# KiCad board PSEC5_Board.kicad_pcb (continued)
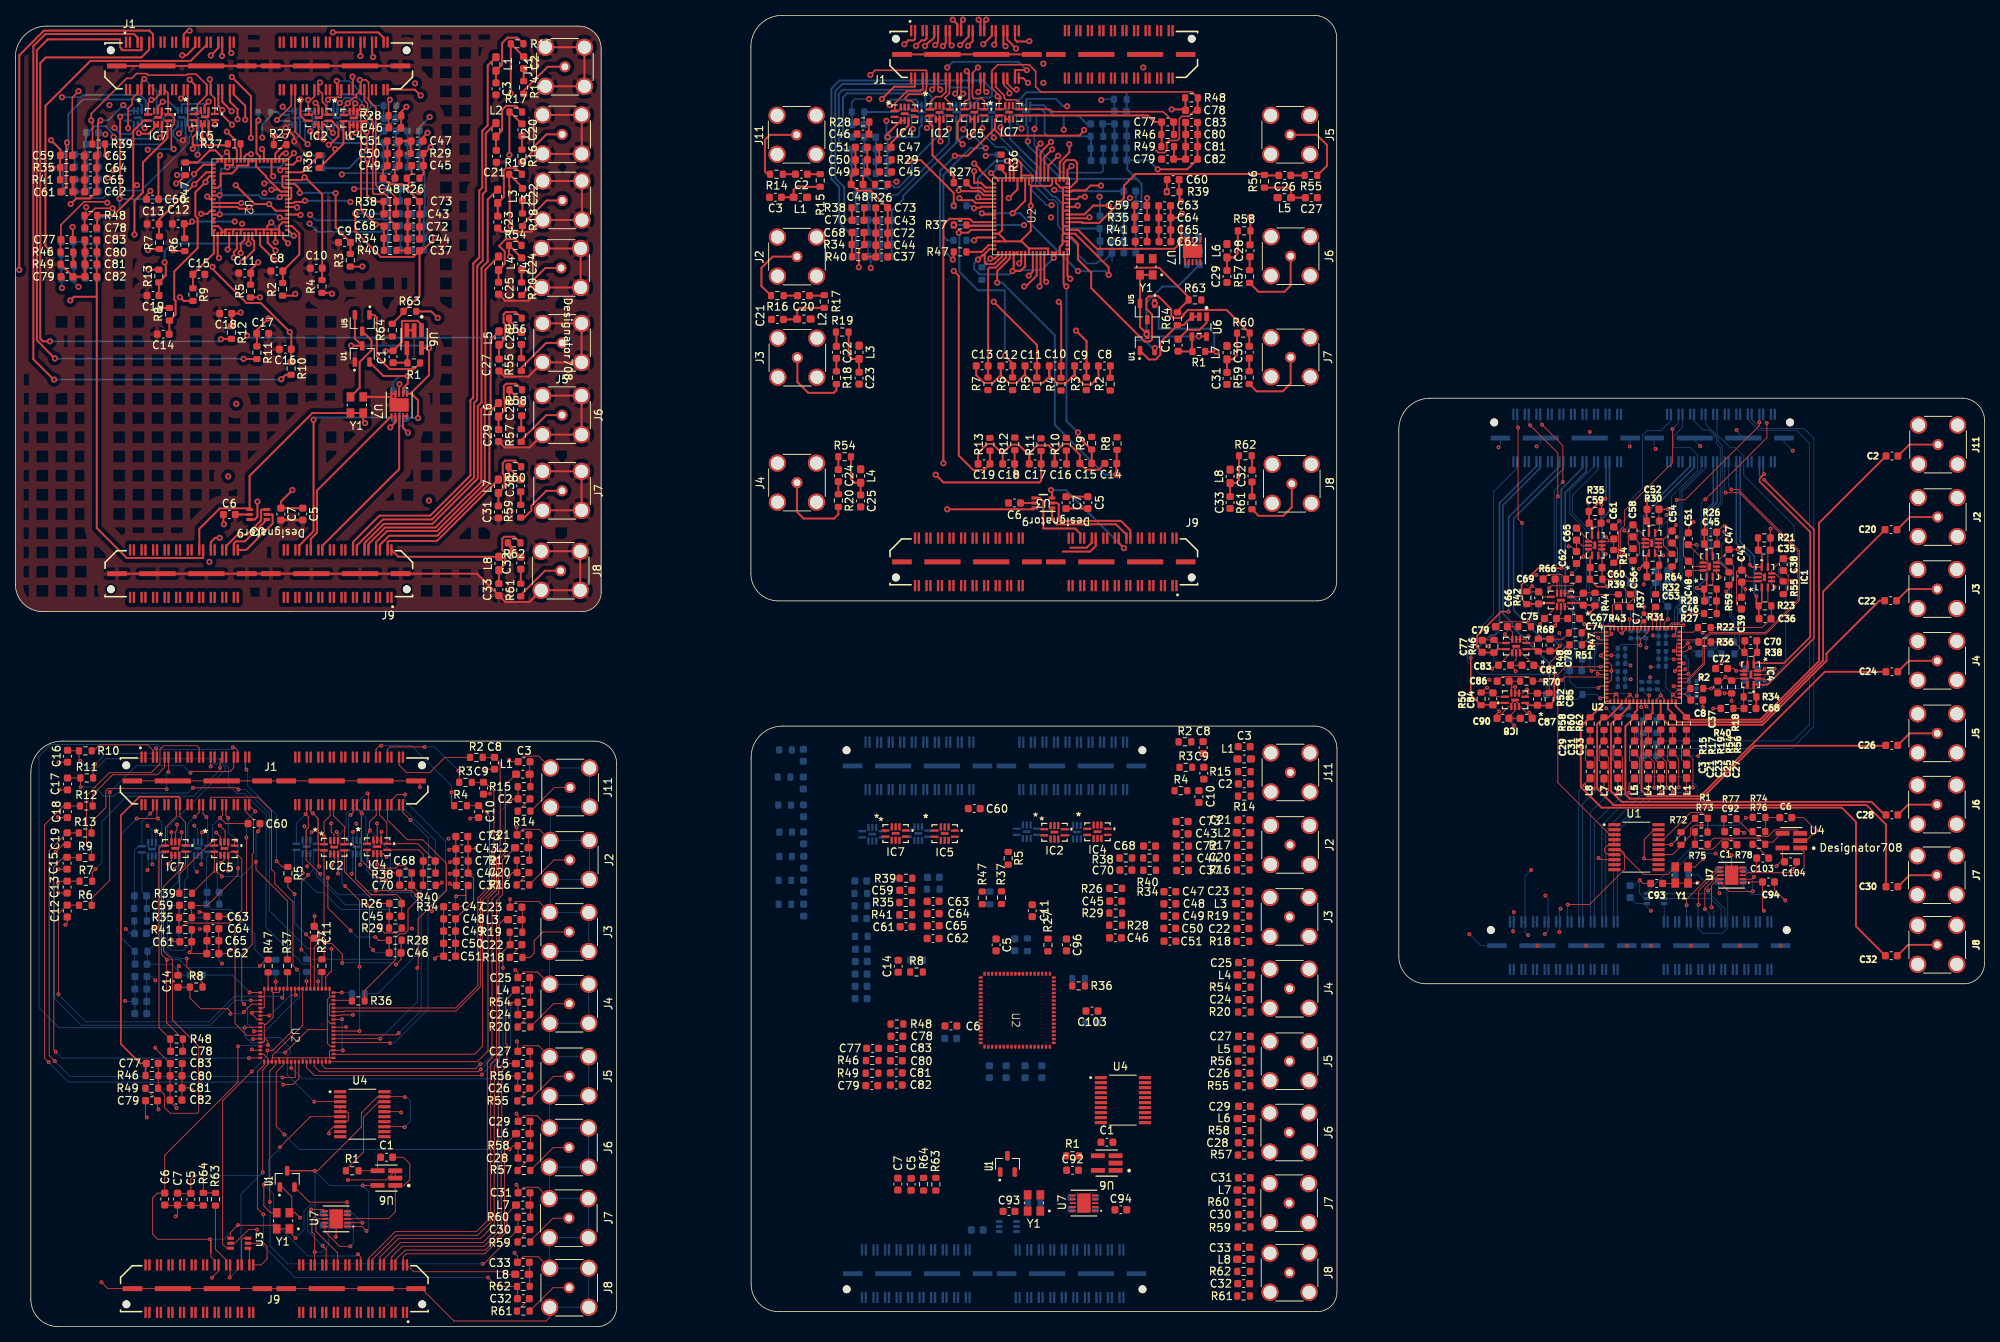
[diagram p0: board, top side]
## Routing (per net, layer and track width the routed paths; a pad name or vN(x,y) marks a point on that pad's centre or on a via; arc(x,y) is an arc through that point) (continued)
/Pedestals/SIGNAL8: length 224.3
  Top w0.1: v1(32.27,14.6) 31.47,15.4 31.47,33.17 32.37,34.07 U2#3.72 ; v1(61.47,6.4) 62.64,5.23 R62#5.2 65.3,5.18 C32#2.1
  Top w0.232: U2#5.72 206.91,81.37 R62.2 203.62,78.08 203.62,70.24 206.32,67.54 237.57,67.54 239.41,65.7 239.41,52.09 C32#5.1
  Top w0.25: v2(26.49,139.07) 26.31,139.25 U2#4.72 ; v2(137.21,136.37) 136.85,136.73 U2.72 ; v2(64.44,100.25) 64.44,101.61 R62#3.2 64.05,101.83 C32#4.1 ; C32#3.1 160.85,113.29 R62#4.2
  In1.Cu w0.25: v2(26.49,139.07) 26.49,129.91 25.24,128.66 v2(25.24,99.52)
  In2.Cu w0.25: v2(25.24,99.52) 63.71,99.52 v2(64.44,100.25)
  Bottom w0.1: v1(61.47,6.4) 36.37,6.4 32.27,10.5 v1(32.27,14.6)
/Phase_detection/CLK_OUT: length 10.2
  Top w0.25: Y1#2.3 44.78,122.19 44.78,125.53 46.31,127.06 46.31,128.35 U5.3
/Phase_detection/OP_AMP_OUT: length 50.5
  Top w0.1: 226.61,59.07 232.06,59.07 232.66,59.67 232.66,61.77 232.36,62.07 232.16,62.07 ; 226.61,59.07 226.51,59.17 C103#2.1 ; 226.61,59.07 225.29,59.07 224.97,58.75 U7#5.3 ; 49.41,18.38 U6#3.1 ; U6#3.1 49.41,14.93 48.53,14.05 43.19,14.05 U7#3.3 ; U6#3.1 50.56,18.38 51.31,19.13 51.31,21.18 50.45,22.04 C1#2.1
  Top w0.25: v2(48.16,126.95) 48.21,127 C1#4.1 50.29,128.16 50.29,130.9 52.31,130.9 52.82,130.39 U6.1 ; U7#4.3 49.92,122.64 v2(49.95,122.66) ; C1#3.1 152.47,129.72 154.01,129.72 154.94,130.64 U6#4.1
  In1.Cu w0.25: v2(49.95,122.66) 49.95,124.34 49.96,124.36 49.96,125.15 v2(48.16,126.95)
/Phase_detection/PSEC5_CLK_OUT: length 3.2
  Top w0.25: U2.9 132.35,137.31 v2(131.8,136.77)
ADC1_Out+: length 88.7
  Top w0.1: 45.79,62.84 45.79,64.09 46.05,64.35 46.05,64.57 ; 46.91,67.83 J1#2.70 46.94,67.91 46.94,66.55 46.05,65.66 46.05,64.57 ; v1(48.15,59.07) 48.19,59.03 R38.1 49.98,58.97 C70.2 ; 46.05,64.57 v1(46.1,64.57) ; 49.98,59.02 49.93,59.07
  Top w0.2: R38#3.1 110.37,145.55 C70#3.2 ; J1.06 118.02,161.39 118.05,161.36 118.05,161.14 117.72,160.81 116,160.81 114.41,159.22 IC4.1 ; IC4#4.1 42.72,158.69 v2(43.22,159.2) 43.98,159.96 44.35,159.96 44.35,160.33 44.9,160.88 J1#3.70 44.9,162.13 v2(44.79,162.25) 45.61,162.25 45.95,161.91 45.95,159.61 46.11,159.44 46.11,159.43 46.89,158.65 46.89,148.57 47.39,148.07 48.35,148.07 49.53,146.89 R38#4.1 49.53,144.84 C70#4.2 ; 118.02,161.9 118.05,161.88 ; C70#2.2 226.56,89.2 R38#5.1 226.11,87.3 IC4#2.1 226.3,86.35 230.05,86.35 233.49,89.78 233.49,103.37 226.89,109.97 226.89,110.38 v1(227.45,110.95)
  Bottom w0.1: v1(48.15,59.07) 48.77,59.69 48.77,61.9 v1(46.1,64.57)
  Bottom w0.2: v1(227.45,110.95) 227.35,111.05 J1#5.06
ADC1_Out-: length 122.1
  Top w0.1: R34#3.2 54.65,60.54 C68#2.1 52.35,62.84 IC4#3.7 48.32,62.89 48.32,65.61 47.39,66.54 47.39,67.91 J1#2.72
  Top w0.2: IC4.7 116.99,159.08 116.55,159.52 116.04,159.52 115.77,159.79 115.77,159.95 116.19,160.36 117.9,160.36 118.5,160.96 118.5,161.36 118.52,161.39 J1.08 118.52,163.45 118.47,163.5 111.82,163.5 v2(111.21,162.89) ; R34#4.2 49.53,143.15 C68#4.1 48.73,143.96 48.73,146.76 48.09,147.39 46.63,147.39 46.49,147.53 46.49,156.84 45.66,157.67 IC4#4.7 45.81,158.18 45.81,159.16 45.39,159.59 45.39,160.48 ; C68#3.1 226.46,80.5 R34.2 226.11,82.3 IC4#2.7 226.69,83.53 226.7,83.55 227.91,83.55 233.94,89.57 233.94,103.74 v1(227.48,110.2) ; C68.1 110.42,142.34 R34#5.2 109.71,140.11 v2(109.71,137.87) ; 118.52,161.9 118.5,161.88
  In1.Cu w0.2: v2(111.21,162.89) 109.71,161.39 v2(109.71,137.87)
  Bottom w0.2: J1#5.08 226.85,110.83 v1(227.48,110.2)
ADC2_Out+: length 88.5
  Top w0.1: v1(48.19,58.07) 47.6,58.07 44.99,60.69 44.99,66.76 v1(45.04,66.81) 44.41,67.44 J1#2.64 44.39,67.91
  Top w0.2: C36.2 226.76,92.17 R23.1 ; R23.1 226.46,94.1 v1(226.46,95.05) ; R23.1 227.16,94.2 IC1.1 ; v2(119.25,160.99) 119.55,161.29 119.55,162.45 J1.10 ; J1#3.62 41.8,161.08 v2(41.8,162.1)
  In1.Cu w0.2: v2(111.06,159.77) 111.37,159.46 111.37,157.03 112.18,156.22 116.4,156.22 v2(116.75,155.86) 116.75,156.47 117.11,156.83 117.11,159.13 118.23,160.25 118.92,160.25 119.25,160.58 v2(119.25,160.99)
  Bottom w0.1: v1(45.04,66.81) 45.6,66.26 45.6,62.85 45.65,62.8 46.05,62.8 47.65,61.2 47.65,58.62 v1(48.19,58.07) 48.81,57.45 R23#5.1 49.93,58.96 C36#5.2 49.62,59.02
  Bottom w0.2: C36#3.2 108.83,158.03 R23#2.1 108.78,159.37 109.18,159.77 v2(111.06,159.77) ; C36#4.2 47.89,157.31 R23#4.1 46.22,158.89 ; 46.22,158.89 46.22,159.34 43.46,162.1 v2(41.8,162.1) ; 46.22,158.89 46.22,158.7 45.22,157.7 IC1#4.1 ; IC1#5.1 116.61,156.01 v2(116.75,155.86) ; v1(226.46,95.05) 226.19,95.32 226.19,100.27 224.35,102.11 J1#5.14
ADC2_Out-: length 91.8
  Top w0.1: 43.94,67.91 J1#2.62 43.91,66.91 v1(43.6,66.6)
  Top w0.2: J1.12 120,162.45 120,161.29 v2(120.3,160.99) ; v2(40.66,159.66) 40.96,159.96 42.35,159.96 42.4,160.01 J1#3.64 ; v1(225.61,99.15) 225.92,98.84 IC1.7 227.16,100.6 C35.1 226.71,102.6 R21.2
  In1.Cu w0.2: v2(40.66,159.66) 40.66,159.35 42.46,157.55 v2(42.46,149.95) ; v2(120.3,160.99) 119.11,159.8 118.84,159.8 118.43,159.4 118.43,156.12 v2(118.57,155.98) ; v2(118.57,155.98) 118.57,153.05 114.62,149.11 v2(114.62,149.01) ; v2(118.57,155.98) 118.55,155.97
  Bottom w0.1: R21#4.2 54.65,60.55 C35#5.1 54.61,63.29 50.68,67.21 44.21,67.21 v1(43.6,66.6) 43.3,66.3 43.3,63.04 IC1#2.7 42.56,62.8
  Bottom w0.2: IC1#5.7 119.2,156.61 v2(118.57,155.98) ; R21#5.2 110.4,151.6 C35#2.1 111.47,149.01 v2(114.62,149.01) ; v1(225.61,99.15) 225.61,100.2 223.85,101.96 J1#5.16 ; IC1#4.7 40.57,159.57 v2(40.66,159.66) ; R21#3.2 49.57,150.93 C35#4.1 48.74,150.11 42.62,150.11 v2(42.46,149.95)
ADC3_Out+: length 73
  Top w0.1: v1(46.82,50.7) 47.24,50.28 47.4,50.28 ; v1(40.65,58.42) 40.65,54.5 v1(43.6,51.55) 43.6,51.6 ; 47.4,50.28 R28#2.1 48.62,50.26 C46.2 ; 47.4,50.28 47.19,50.28 ; J1#2.54 40.94,67.91 40.94,66.48 40.14,65.69 v1(40.14,63.78) 40.2,63.73 40.2,62.78
  Top w0.2: IC2#2.1 219.99,96.31 R28.1 ; v2(48.71,159.67) 48.54,159.5 R28#4.1 48.54,156.07 C46#5.2 ; R28.1 219.66,94.49 C46#2.2 ; R28.1 218.82,95.99 v1(218.69,96.12) ; IC2#5.1 118.95,159.28 119.74,160.07 120.44,160.07 121.05,160.68 121.05,161.36 121.02,161.39 J1.14 ; J1#3.54 38.9,160.1 38.54,159.74 38.17,159.74 v2(38.09,159.66) 38.09,158.71 38.16,158.64 IC2#4.1
  In2.Cu w0.2: v2(48.71,159.67) 47.97,160.42 39.22,160.42 38.54,159.74 38.17,159.74 v2(38.09,159.66)
  Bottom w0.1: v1(43.6,51.55) 44.45,50.7 v1(46.82,50.7) ; v1(40.14,63.78) 40.15,63.78 40.15,58.92 v1(40.65,58.42)
  Bottom w0.2: v2(38.09,159.66) 38.29,159.46 ; J1#5.22 221.36,112.54 221.36,107.27 220.11,106.02 220.11,97.55 v1(218.69,96.12)
ADC3_Out-: length 72.9
  Top w0.1: C45#5.1 50.26,53.47 R26#5.2 50.26,55.56 49.58,56.24 46.24,56.24 44.26,58.22 44.26,62.41 43.89,62.78 IC2#3.7 42.78,63.79 42.8,63.81 42.8,65.07 41.41,66.46 J1#2.56
  Top w0.2: v1(219.66,104.7) 219.74,104.62 C45#2.1 219.69,103.34 R26#4.2 219.99,101.54 IC2#2.7 ; IC2#5.7 121.54,159.26 120.9,159.89 121.5,160.49 121.5,161.36 121.52,161.39 J1.16 ; J1#3.56 39.94,160.44 39.94,159.4 40.38,158.96 40.38,158.09 IC2#4.7 ; J1#3.56 39.4,161.69 v2(39.61,161.91) ; J1#3.56 39.4,160.45 ; C45.1 51.54,150.08 R26#2.2 50.92,149.14 v2(51.44,148.62)
  In1.Cu w0.2: v2(51.44,148.62) 51.99,149.17 v2(51.99,161.8)
  In2.Cu w0.2: v2(39.61,161.91) 40.12,161.4 51.59,161.4 v2(51.99,161.8)
  Bottom w0.2: J1#5.24 220.85,107.18 219.66,106 v1(219.66,104.7)
ADC4_Out+: length 114.1
  Top w0.1: 38.39,67.91 J1#2.48 38.41,67.08 v1(38.7,66.8) 39.4,66.1 39.4,60 v1(39.52,59.87) ; v1(45.72,54.9) 46.05,54.57 46.05,49.49 v1(46.52,49.02)
  Top w0.2: J1.18 122.55,162.45 122.55,160.76 v2(122.25,160.46) ; 35.89,160.48 35.89,158.9 v2(34.01,157.02) ; R32.1 211.68,99.09 v1(211.21,98.62) ; R32.1 212.16,100.33 212.49,100.66 ; R32.1 212.21,99.04 C53.2
  In1.Cu w0.2: v2(122.25,160.46) 121.83,160.05 121.83,156.32 v2(121.43,155.91) ; v2(32.39,148.77) 32.39,149.55 32.84,150 32.84,155.85 v2(34.01,157.02)
  Bottom w0.1: v1(46.52,49.02) 46.52,48.97 46.84,48.65 C53#2.2 48.62,50.26 R32#3.1 ; 39.18,62.85 39.53,62.85 ; 39.13,62.85 39.3,63.01 39.3,66.27 39.24,66.33 39.16,66.33 v1(38.7,66.8) ; v1(45.72,54.9) 42.92,54.9 39.15,58.67 39.15,59.5 v1(39.52,59.87)
  Bottom w0.2: R32#4.1 50.04,148.04 C53#5.2 49.21,148.87 32.48,148.87 v2(32.39,148.77) ; IC3#4.1 121.14,156.2 v2(121.43,155.91) 121.43,153.98 114.72,147.28 C53#3.2 110.87,145.7 R32#5.1 ; v1(211.21,98.62) 211.79,99.2 211.79,105.46 213.82,107.5 214.07,107.5 218.35,111.78 J1#5.30 ; IC3#3.1 34.11,156.92 v2(34.01,157.02)
ADC4_Out-: length 114.2
  Top w0.1: v1(39.65,58.92) 39.63,58.92 37.81,60.75 37.81,64.6 38.1,64.9 38.1,66.35 v1(37.75,66.7) 37.91,66.86 J1#2.46 37.94,67.91
  Top w0.2: v2(123.3,160.46) 123,160.76 123,162.45 J1.20 ; v1(212.34,107.62) 212.24,107.52 C52.1 212.19,106.31 R30.2 212.49,104.54 IC3.7 ; 36.39,160.48 36.39,155.5 v2(38.01,153.87)
  In1.Cu w0.2: v2(38.01,153.87) 38.54,153.35 38.54,144.9 v2(38.34,144.7) ; v2(111.27,137.78) 111.32,137.73 114.72,137.73 115.58,138.59 115.58,148.12 v2(123.3,155.83) 123,156.13 123,160.16 v2(123.3,160.46)
  Bottom w0.1: 37.11,66.06 v1(37.75,66.7) ; 36.19,62.85 IC3#5.7 36.55,65.5 37.14,66.09 ; R30#3.2 50.25,55.04 C52#4.1 49.14,56.15 46.22,56.15 46.17,56.2 42.04,56.2 39.65,58.6 v1(39.65,58.92)
  Bottom w0.2: v2(123.3,155.83) 123.72,156.25 IC3#4.7 ; v1(212.34,107.62) 212.91,107.62 213.31,108.02 213.89,108.02 217.85,111.98 J1#5.32 ; C52#2.1 50.07,140.15 R30#2.2 49.34,142.43 49.34,143.53 48.82,144.05 47.99,144.05 47.9,144.14 46.58,144.14 46.41,143.97 39.06,143.97 v2(38.34,144.7) ; v2(111.27,137.78) 111.27,138.93 C52#5.1 110.92,140.83 R30#5.2 ; IC3#3.7 37.66,156.74 37.66,154.22 v2(38.01,153.87)
ADC5_Out+: length 130.6
  Top w0.1: 25.92,62.6 25.92,63.12 v1(25.73,63.3) 21.32,58.89 R39#3.1 ; J1#2.30 26.94,67.91 26.94,66.5 v1(26.64,66.2) 27.37,65.46 C60#2.2
  Top w0.2: 124.02,161.9 124.05,161.88 ; v2(123.74,163.38) 124.02,163.1 J1.22 124.02,161.39 124.05,161.36 124.05,159.8 123.81,159.57 123.61,159.57 123.46,159.42 IC5#4.1 ; v1(207.11,96.3) 205.75,96.3 R39.1 204.79,98.74 C60.2 204.84,100.11 IC5#3.1 ; C60#3.2 149.78,149.22 v2(149.78,147.7) ; 10.03,153.56 10.03,156.8 v2(9.86,156.97) 9.86,157.85 14.46,162.45 15.14,162.45 15.76,163.07 17.05,163.07 17.25,162.87 22.26,162.87 22.38,162.99 23.52,162.99 24.9,161.61 J1#3.30 24.9,160.29 23.67,159.06 23.67,158.14 IC5#5.1 ; C60#4.2 17.06,147.3 v2(17.56,147.8)
  In1.Cu w0.2: v2(9.86,156.97) 10.03,156.8 10.03,151.5 v2(12.04,149.5) ; v2(123.74,163.38) 123.73,163.37 123.71,163.37 123.71,161.04 124.81,159.95 124.81,152.78 125.92,151.67 126.5,151.67 131.41,146.76 138.32,146.76 138.73,146.35 141.67,146.35 143.02,147.7 v2(149.78,147.7)
  In2.Cu w0.2: v2(12.04,149.5) 13.74,147.8 v2(17.56,147.8)
  Bottom w0.1: 25.81,63.23 v1(25.73,63.3) 25.62,63.41 25.62,65.19 v1(26.64,66.2)
  Bottom w0.2: J1#5.46 207.35,106.08 206.41,105.14 206.41,97 v1(207.11,96.3)
ADC5_Out-: length 113.3
  Top w0.1: v1(28.71,63.32) 28.5,63.11 IC5#2.7 ; R35.2 22.89,53.3 C59#4.1 24.97,54.82 28.95,58.8 v1(28.95,59.65) ; 27.41,67.36 J1#2.32 27.39,67.91 27.39,66.5 v1(27.69,66.2)
  Top w0.2: C59#3.1 204.71,106.04 R35#2.2 ; C59#3.1 204.71,106.03 206.43,107.75 v1(206.81,107.75) ; C59#3.1 205.09,104.19 IC5#3.7 ; 124.52,161.9 124.5,161.88 ; IC5#5.7 25.94,159.87 25.4,160.41 J1#3.32 25.4,162.21 v2(25.29,162.32) ; v2(147.22,146.87) 147.16,146.81 C59#2.1 147.21,145.87 R35#4.2 ; C59.1 7.41,159.97 v2(8.21,160.77) ; v2(125.21,163.87) 124.52,163.18 J1.24 124.52,161.39 124.5,161.36 124.5,159.98 124.65,159.83 125.74,159.83 126.05,159.53 IC5#4.7
  In1.Cu w0.2: v2(146.71,163.87) 145.67,162.83 126.25,162.83 v2(125.21,163.87)
  In2.Cu w0.2: v2(8.21,160.77) 23.74,160.77 v2(25.29,162.32) ; 226.22,163.31 226.22,158.15 226.72,157.65 226.72,146.31
  Bottom w0.1: v1(27.69,66.2) 27.69,64.35 v1(28.71,63.32) 28.95,63.09 v1(28.95,59.65)
  Bottom w0.2: J1#5.48 206.85,111.98 206.91,111.92 206.91,107.85 206.79,107.72
ADC6_Out+: length 109.5
  Top w0.1: 24.39,67.91 J1#2.24 24.41,66.73 v1(24.85,66.3)
  Top w0.2: v2(125.25,160.67) 125.55,160.97 125.55,162.45 J1.26 ; IC6.1 203.67,94.17 C67.2 205.42,93.9 R44.1 205.47,93.58 v1(204.76,92.87) ; J1#3.22 21.9,160.18 v2(21.55,159.83)
  In1.Cu w0.2: v2(125.25,160.67) 126.61,159.31 126.61,156.78 v2(125.8,155.97) ; v2(134.77,145.95) 134.77,145.92 135.45,145.25 135.7,145.25 135.75,145.2 144.74,145.2 145.3,145.75 145.3,146.55 v2(144.97,146.88) ; v2(11.7,155.16) 11.77,155.24 11.77,158.51 v2(12.24,158.97)
  In2.Cu w0.2: v2(21.55,159.83) 21.02,160.36 13.62,160.36 v2(12.24,158.97)
  Bottom w0.1: v1(24.85,66.3) 25,66.14 25,64.74 25.05,64.7 IC6#3.1 ; 25,62.6 25.41,62.6 26.25,61.76 26.25,56.77 C67#3.2 26.5,55.01 R44#2.1
  Bottom w0.2: v1(204.76,92.87) 204.73,92.87 201.59,96.02 201.59,108.55 204.35,111.31 J1#5.54 ; 10.86,153.56 10.86,155.13 10.81,155.18 11.68,155.18 v2(11.7,155.16) ; v2(134.77,145.95) 134.13,145.95 132.21,147.87 132.21,149.96 128.64,153.53 127.5,153.53 125.8,155.23 v2(125.8,155.97) 125.76,156 IC6#2.1 ; R44#5.1 18.94,153.86 19.8,154.73 19.8,155.51 20.37,156.08 IC6#5.1 ; v2(144.97,146.88) 145.11,147.02 145.77,147.02 ; R44#3.1 145.77,147.02 ; 145.77,147.02 145.77,147.72 C67#5.2
ADC6_Out-: length 119.8
  Top w0.1: 23.94,67.91 J1#2.22 23.91,66.93 v1(23.32,66.35)
  Top w0.2: IC6.7 198.24,94.17 C66.1 196.64,94.07 R42.2 195.92,94.7 195.92,96.56 198.06,98.7 v1(201.14,98.7) ; J1.28 126,162.45 126,160.97 v2(126.3,160.67) ; 22.41,160.36 22.41,156.31 v2(22.87,155.85)
  In1.Cu w0.2: v2(126.3,160.67) 126.3,160.26 126.56,160 126.82,160 127.68,159.15 127.68,157.03 127.42,156.78 v2(128.13,156.07)
  Bottom w0.1: v1(23.32,66.35) 22.42,65.45 22.42,62.61 IC6#3.7 22.27,62.6 21.4,61.73 21.4,57.17 19.47,55.25 19.47,53.48 19.77,53.18 19.77,49.42 20.25,48.95 21.79,48.95 C66#4.1 22.93,50.1 R42#2.2
  Bottom w0.2: R42#5.2 7.77,147.07 7.86,146.97 7.86,146.87 11.46,146.87 12.44,147.85 16.36,147.85 22.61,154.1 22.61,154.76 22.87,155.02 v2(22.87,155.85) 22.95,155.93 IC6#5.7 ; IC6#2.7 128.34,156.28 v2(128.13,156.07) 128.13,154.8 132.71,150.22 132.71,148.37 134.43,146.65 135.06,146.65 135.6,146.11 135.6,143.27 138.21,140.65 138.21,139.57 139.42,138.36 140.57,138.36 140.85,138.64 141.57,138.64 C66#2.1 ; v1(201.14,98.7) 201.09,98.75 201.09,108.97 203.85,111.73 J1#5.56 203.85,112.28 ; C66#2.1 142.63,138.64 ; C66#2.1 R42#4.2
ADC7_Out+: length 144.9
  Top w0.1: J1#2.14 20.94,67.91 20.94,66.38 19.54,64.98 19.54,62.62 19.03,62.62 18.68,62.27 18.68,38.89 R48#2.1 20.15,35.88 C78.2
  Top w0.2: C78#5.2 153.75,159.85 R48#4.1 ; 197.95,88.17 198.12,88 ; R48#4.1 153.04,160.69 133.39,160.69 132.71,161.37 132.71,163.37 131.85,164.23 127.8,164.23 127.02,163.45 J1.30 127.02,161.39 127.05,161.36 127.05,161.15 127.77,160.43 ; R48#4.1 153.81,158.68 152.65,157.52 151.75,157.52 151.4,157.17 151.4,154.65 151.11,154.37 150.07,154.37 149.76,154.05 149.76,153.08 149.47,152.79 148.65,152.79 148.36,153.08 ; 199.66,88 199.71,88.05 ; J1#3.14 18.73,160.81 18.73,160.33 18.05,159.66 v2(17.69,159.66) 17.28,159.25 IC7#3.1 17.28,158.67 ; v1(200.89,88.6) 200.21,87.92 C78#4.2 199.57,87.87 R48#3.1 197.8,88.17 IC7#2.1 ; 127.77,160.43 128.16,160.04 128.16,159.77 127.99,159.6 IC7#4.1 ; 127.77,160.43 127.77,160.14 v2(127.74,160.1) ; v2(12.64,145.54) 10.38,145.54 9.45,144.61 R48#5.1 8.99,143.02 C78#2.2
  In1.Cu w0.2: v2(12.64,145.54) 12.58,145.54 12.76,145.72 12.76,147.55 16.51,151.3 16.51,154.02 17.51,155.02 17.51,159.48 v2(17.69,159.66)
  Bottom w0.2: J1#5.62 201.35,111.63 194.89,105.17 194.89,93.22 198.52,89.58 199.9,89.58 v1(200.89,88.6)
ADC7_Out-: length 148.3
  Top w0.1: IC7#5.7 22.12,62.97 22.12,62.98 22.12,65.64 21.39,66.38 21.39,67.91 J1#2.16
  Top w0.2: v2(11.96,146.27) 11.85,146.39 8.92,146.39 5.92,143.39 C77#3.1 5.87,141.41 R46#4.2 ; R46#5.2 16.93,34.16 C77#2.1 16.23,34.26 13.72,36.77 13.72,66.55 16.13,68.95 21.19,68.95 21.41,68.73 J1#2.16 ; J1.32 127.52,161.39 127.5,161.36 127.5,161.34 128.61,160.22 128.61,159.93 128.88,159.66 130.23,159.66 130.57,159.31 IC7#4.7 134.55,158.42 134.86,158.11 149.31,158.11 C77#4.1 150.65,155.19 R46#2.2 ; v2(20.59,153.25) 20.29,153.55 20.29,156.12 20.67,156.5 20.67,157.3 20.22,157.75 IC7#3.7 19.86,159.9 19.85,159.91 19.85,160.53 J1#3.16 ; IC7#2.7 192.77,88.17 R46.2 190.85,87.72 C77.1 190.12,88.45 190.12,89.91 193.26,93.05 v1(194.24,93.05)
  In1.Cu w0.2: v2(17.21,153.16) 17.16,153.21 17.16,151.2 14.26,148.3 14.26,146.17 12.93,144.84 12.35,144.84 11.94,145.25 11.94,146.25 v2(11.96,146.27)
  Bottom w0.2: v2(17.21,153.16) 17.3,153.25 v2(20.59,153.25) ; v1(194.24,93.05) 194.24,105.37 200.85,111.98 J1#5.64
ADC8_Out+: length 119.4
  Top w0.1: v1(15.77,66.12) v1(18.55,66.12) 18.41,66.26 J1#2.08 18.39,67.91
  Top w0.2: J1#3.06 15.9,160.53 15.19,159.82 15.19,159.06 14.66,158.53 v2(14.66,155.95) ; 196.39,81.17 196.69,80.87 197.98,80.87 198.03,80.82 R52.1 200.18,81.5 200.18,85.66 v1(199.99,85.85) ; v2(129.29,160.52) 129.29,160.87 128.55,161.62 128.55,161.88 128.52,161.9 J1.34
  In1.Cu w0.2: v2(141.24,159.62) 135.75,159.62 134.63,158.51 134.63,155.76 133.82,154.95 131.59,154.95 131.38,155.15 131.38,155.42 v2(130.88,155.92) 131.18,156.22 131.18,159.84 131.01,160.01 130.15,160.01 129.65,160.52 v2(129.29,160.52) ; v2(14.66,155.95) 14.21,155.5 14.21,150.68 v2(9.21,145.69)
  Bottom w0.1: 19.04,62.52 19.04,65.63 v1(18.55,66.12) ; v1(15.77,66.12) 13.8,64.15 13.8,50.57 R52#4.1 15.52,47.22 C85#3.2
  Bottom w0.2: C85#5.2 9.06,144.33 R52#2.1 9.21,144.58 v2(9.21,145.69) ; C85#2.2 142.95,159.67 R52#5.1 141.34,159.72 v2(141.24,159.62) ; v2(14.66,155.95) 14.66,156.94 IC8#3.1 ; J1#5.70 198.35,111.76 193.51,106.92 193.51,92.77 194.74,91.55 194.74,91.1 v1(199.99,85.85) ; v2(130.88,155.92) 130.23,156.58 IC8#4.1
ADC8_Out-: length 122.5
  Top w0.1: v1(17.55,66.77) 17.91,67.13 J1#2.06 17.94,67.91
  Top w0.2: J1.36 129.02,161.9 129,161.88 129,161.81 129.8,161 v2(130.23,161) ; IC8.7 192.43,81.17 C84.1 190.7,80.92 190.65,80.87 189.31,82.21 v1(189.31,87.02) ; v2(16.76,162.37) 16.4,162.01 J1#3.08
  In1.Cu w0.2: v2(130.23,161) 130.23,160.57 130.34,160.46 131.2,160.46 132.2,159.46 132.2,156.22 v2(132.55,155.86) ; v2(8.21,135.32) 10.11,137.22 10.11,145.7 14.76,150.35 14.76,155.06 16.76,157.06 v2(16.76,162.37)
  Bottom w0.1: R50#3.2 15.5,54.47 C84#4.1 15.5,62.01 16,62.52 IC8#2.7 16.46,65.68 v1(17.55,66.77)
  Bottom w0.2: R50#5.2 141.47,153.29 C84#5.1 141.47,150.4 141.24,150.17 136.16,150.17 132.55,153.78 v2(132.55,155.86) 132.55,156.16 132.81,156.42 IC8#4.7 ; IC8#3.7 17.8,156.95 18.39,157.54 18.39,160.75 v2(16.76,162.37) ; v1(189.31,87.02) 189.31,87.41 191.87,89.97 192.41,89.97 193.05,90.61 193.05,107.18 197.85,111.98 J1#5.72 ; R50#4.2 7.62,136.45 C84#2.1 7.57,135.96 v2(8.21,135.32)
ADC_SCK: length 37.2
  Top w0.1: U7#3.8 39.26,14.02 39.09,13.85 39.09,12.41 41.93,9.57 J9.26 ; v1(219.76,54.35) 219.76,57 221.51,58.75 U7#5.8
  Top w0.25: U7#4.8 49.92,111.61 39.92,101.61 J9#2.26
  Bottom w0.1: v1(219.76,54.35) 220.37,53.74 220.37,52.65
ADC_SDO: length 67.5
  Top w0.1: U7#3.7 39.12,14.52 38.57,13.97 38.57,12.3 38.93,11.94 v1(38.93,9.7) J9.34 ; U7#5.7 221.46,59.25 218.94,56.73 v1(218.94,54.92)
  Top w0.25: U7#4.7 49.42,117.68 v2(48.76,117.02) ; J9#2.34 36.92,101.66 38.79,103.52 v2(38.79,118.02)
  Bottom w0.1: R25#3.2 222.62,58.43 222.62,55.99 222.74,55.87 222.74,51.87 222.06,51.2 219.5,51.2 218.87,51.83 218.87,54.85 v1(218.94,54.92) ; v1(38.93,9.7) 39.85,9.7 40.77,10.62 40.77,14.04 R25#4.2
  Bottom w0.25: v2(38.79,118.02) 39.09,118.32 49.13,118.32 R25.2 49.26,117.52 v2(48.76,117.02)
DAC_SCLK: length 37.9
  Top w0.1: U3#2.2 32.31,10.85 32.73,10.43 32.73,8.8 31.96,8.03 J9.42
  Top w0.25: J9#2.42 30.03,101.08 33.47,104.52 33.47,105.62 33.39,105.69 U3#3.2 ; U3.2 135.51,107.19 135.71,106.99 135.71,104.87 143.8,104.87 145.02,103.64 J9#3.18
  Bottom w0.1: U3#5.2 220.56,55.7 221.87,54.39 221.87,52.65
DAC_V_IN: length 30.4
  Top w0.1: J9.46 29.43,11.31 29.62,11.5 U3#2.3
  Top w0.25: v2(144.2,101.32) 143.52,101.99 J9#3.22 ; J9#2.46 27.42,101.58 28.89,103.05 30.09,103.05 31.97,104.93 31.97,106.22 32.09,106.34 U3#3.3 ; U3.3 134.84,108.74 v2(134.71,108.87)
  Bottom w0.1: U3#5.3 214.46,52.75 214.37,52.65
  Bottom w0.25: v2(134.71,108.87) 136.65,108.87 v2(144.2,101.32)
DAC_V_OUT: length 188.3
  Top w0.1: U2#3.26 35.87,38.35 33.47,35.95 v1(32.8,35.95) ; v1(30.75,33.2) 26.96,29.41 26.96,10.71 27.47,10.2 U3#2.6 ; U2#5.26 210.96,82.15 v1(210.91,82.1)
  Top w0.25: v2(120.71,112.37) 120.71,143.37 121.51,144.17 124.13,144.17 124.56,143.74 U2.26 ; U3.6 132.42,106.37 v2(121.21,106.37) ; 30.47,104.93 U3#3.6 31.14,105.04 31.49,105.39 v2(31.49,107.37) ; U2#4.26 29.81,152.27 30.13,152.59 v2(30.65,152.59)
  In1.Cu w0.25: v2(30.65,152.59) 30.89,152.35 30.89,146.3 31.16,146.02 31.16,140.7 30.86,140.4 30.86,108 v2(31.49,107.37) ; v2(120.71,112.37) 120.71,106.87 v2(121.21,106.37)
  Bottom w0.1: v1(32.8,35.95) 32.8,35.27 30.75,33.22 v1(30.75,33.2) ; v1(210.91,82.1) 210.91,73.37 212.74,71.55 217.49,71.55 218.76,70.27 218.76,63.1 212.21,56.55 U3#5.6
Disc_Thresh1: length 114.4
  Top w0.1: 219.54,83.05 v1(220.61,83.05) ; R2#2.2 55.87,74.08 53.91,72.12 50.87,72.12 49.91,73.09 J1#2.77
  Top w0.25: v2(122.9,166.79) 124.02,167.91 J1.21 ; J1#3.77 47.9,167.74 47.2,168.43 v2(41.29,168.43) ; v2(36.41,134.4) 36.19,134.17 34.76,134.17
  In1.Cu w0.25: v2(36.41,134.4) 38.99,136.97 38.99,141.75 35.91,144.82 35.91,150.07 37.09,151.25 37.19,151.25 37.61,151.67 37.61,152.27 36.96,152.92 36.96,153.85 ; v2(41.29,168.43) 41.04,168.18 41.04,161.99 39.77,160.73 39.77,158.96 39.31,158.5 37.46,158.5 36.99,158.02 36.99,153.87 36.96,153.85 ; 36.96,153.85 36.96,154.05
  Bottom w0.1: v1(220.61,83.05) 227.03,83.05 230.29,86.31 230.29,97.05 229.34,98 229.34,98.7 230.06,99.42 231,99.42 231.36,99.78 231.36,104.23 224.82,110.77 224.82,113.31 223.76,114.37 223.08,114.37 221.35,116.1 J1#5.21
Disc_Thresh2: length 82.3
  Top w0.1: R3#4.2 57.73,72.24 v1(57.61,72.35) ; J1#2.73 48.41,75.14 48.72,75.44 v1(53.22,75.44)
  Top w0.25: v2(45.14,137.97) 45.11,137.95 R3#3.2 ; J1.23 124.52,167.29 v2(123.92,166.68) ; v2(46.54,165.22) 46.4,165.36 J1#3.73
  In1.Cu w0.25: v2(45.14,137.97) 45.41,138.25 45.76,138.25 47.59,140.08 47.59,164.17 v2(46.54,165.22)
  Bottom w0.1: R3#5.2 224.26,88.22 224.26,91.55 223.24,92.57 223.24,98.21 220.66,100.79 220.66,105.84 222.01,107.19 222.01,114.67 221.5,115.18 221.5,115.67 221.15,116.02 221.15,116.18 219.85,117.48 J1#5.25 ; v1(53.22,75.44) 54.52,75.44 v1(57.61,72.35)
Disc_Thresh3: length 87.8
  Top w0.1: v1(47.59,75.61) 47.39,75.61 46.91,75.14 J1#2.69 ; v1(56.72,69.55) 56.72,68.16 R4#2.2
  Top w0.25: v2(41.19,134.42) 41.06,134.55 R4#4.2 ; J1#3.69 44.9,165.36 v2(44.89,165.35) ; v2(125.29,170.09) 125.52,169.85 J1.25
  In1.Cu w0.25: v2(44.89,165.35) 46.51,163.72 46.51,144.11 41.19,138.78 v2(41.19,134.42)
  Bottom w0.1: R4#5.2 223.59,91.8 222.96,92.42 222.96,98.12 220.46,100.62 220.46,105.92 221.76,107.22 221.76,114.4 221.28,114.88 221.28,115.61 220.95,115.94 220.95,116.09 220.35,116.7 219.51,116.7 218.35,117.86 J1#5.29 ; v1(56.72,69.55) 56.72,70.37 51.48,75.61 v1(47.59,75.61)
Disc_Thresh4: length 85.8
  Top w0.1: R5#3.2 34.72,59.82 v1(33.97,60.57) ; J1#2.37 29.91,72.63 v1(30.05,72.5)
  Top w0.25: v2(126.29,170.09) 126.02,169.82 J1.27 ; v2(28.09,165.75) 27.9,165.93 J1#3.37 ; v2(28.16,162.62) 30.64,160.15 v2(30.64,154.7) ; v2(31.81,133.95) 31.81,133.95 R5.2
  In1.Cu w0.25: v2(32.4,147.53) 32.29,147.42 32.29,143.57 32.31,143.55 ; 32.31,143.77 32.31,143.55 ; 32.31,143.55 32.31,134.45 v2(31.81,133.95) ; v2(28.16,162.62) 28.09,162.7 v2(28.09,165.75)
  In2.Cu w0.25: v2(30.64,154.7) 29.93,153.99 29.93,149.28 31.68,147.53 v2(32.4,147.53)
  Bottom w0.1: 213.36,95.32 213.99,95.95 213.99,100.15 213.19,100.95 213.19,103.19 215.41,105.41 215.41,108.04 218.83,111.46 218.83,113.46 217.89,114.4 215.7,114.4 215.7,115.91 216.85,117.06 J1#5.33 ; v1(30.05,72.5) 30.2,72.35 30.2,70.42 33.97,66.65 v1(33.97,60.57)
Disc_Thresh5: length 98.2
  Top w0.1: R6.2 9.93,55.74 12.27,58.08 v1(12.27,69.55) ; J1#2.33 28.41,72.73 27.91,72.23 22.93,72.23 v1(22.77,72.07)
  Top w0.25: v2(20.51,140.07) 20.61,139.97 R6#2.2 ; J1#3.33 26.4,166.41 v2(25.41,165.42) ; v2(125.9,166.89) 127.02,168.01 J1.29
  In1.Cu w0.25: v2(20.51,140.07) 19.86,140.72 19.86,159.08 19.89,159.11 19.89,161.35 23.96,165.42 v2(25.41,165.42)
  Bottom w0.1: J1#5.37 215.35,117.91 214.04,116.6 212.22,116.6 211.62,116 211.62,109.08 209.91,107.37 209.91,105.55 208.84,104.47 208.84,100.25 210.64,98.45 210.64,95.87 R6#4.2 ; v1(12.27,69.55) 15.73,73 21.84,73 v1(22.77,72.07)
Disc_Thresh6: length 119.4
  Top w0.1: v1(10.42,59.55) 10,59.13 R7.2 ; v1(26.62,72.73) 26.62,73.82 J1#2.29 ; v1(201.29,109.92) 201.29,114.67 v1(198.59,117.37)
  Top w0.25: J1.31 127.52,167.04 v2(127.32,166.84) ; v2(17.24,140.1) 17.37,140.23 R7#2.2 ; J1#3.29 24.9,166.82 22.8,164.72 9.76,164.72 3.91,158.87 3.91,140.65 v2(4.51,140.05)
  In2.Cu w0.25: v2(4.51,140.05) 4.56,140.1 v2(17.24,140.1)
  Bottom w0.1: J1#5.69 198.35,117.61 v1(198.59,117.37) ; v1(10.42,59.55) 11.25,60.38 11.25,65.75 14.55,69.05 23.19,69.05 26.62,72.48 v1(26.62,72.73) ; 202.09,90.3 202.52,90.73 202.52,94.43 200.89,96.06 200.89,97.75 200.16,98.47 200.16,108.8 v1(201.29,109.92)
Disc_Thresh7: length 115.4
  Top w0.1: R8.2 24.35,44.75 22.3,46.8 v1(22.3,47.9) ; v1(200.64,108.05) 200.64,113.7 v1(197.04,117.3) ; v1(25.4,72.9) 25.41,72.91 J1#2.25
  Top w0.25: J1.33 128.52,166.91 v2(128.79,166.63) ; J1#3.25 23.4,166.59 22.26,165.45 v2(21.71,165.45) ; v2(18.79,132.5) 18.86,132.57 R8#2.2